# Altium PCB Atom.PcbDoc (part 2 of 2)
Units mil, origin at the board's own origin, x right, y up, seen from the top; angles counter-clockwise.
Board outline 1600 x 1600 mil, 4 copper layers (Top1, Signal2, Gnd3, Bottom4), stack 37.44 mil thick; 100 components, 125 nets, 493 pads, 296 vias.
Unrouted connection lines stored in the file: 72.
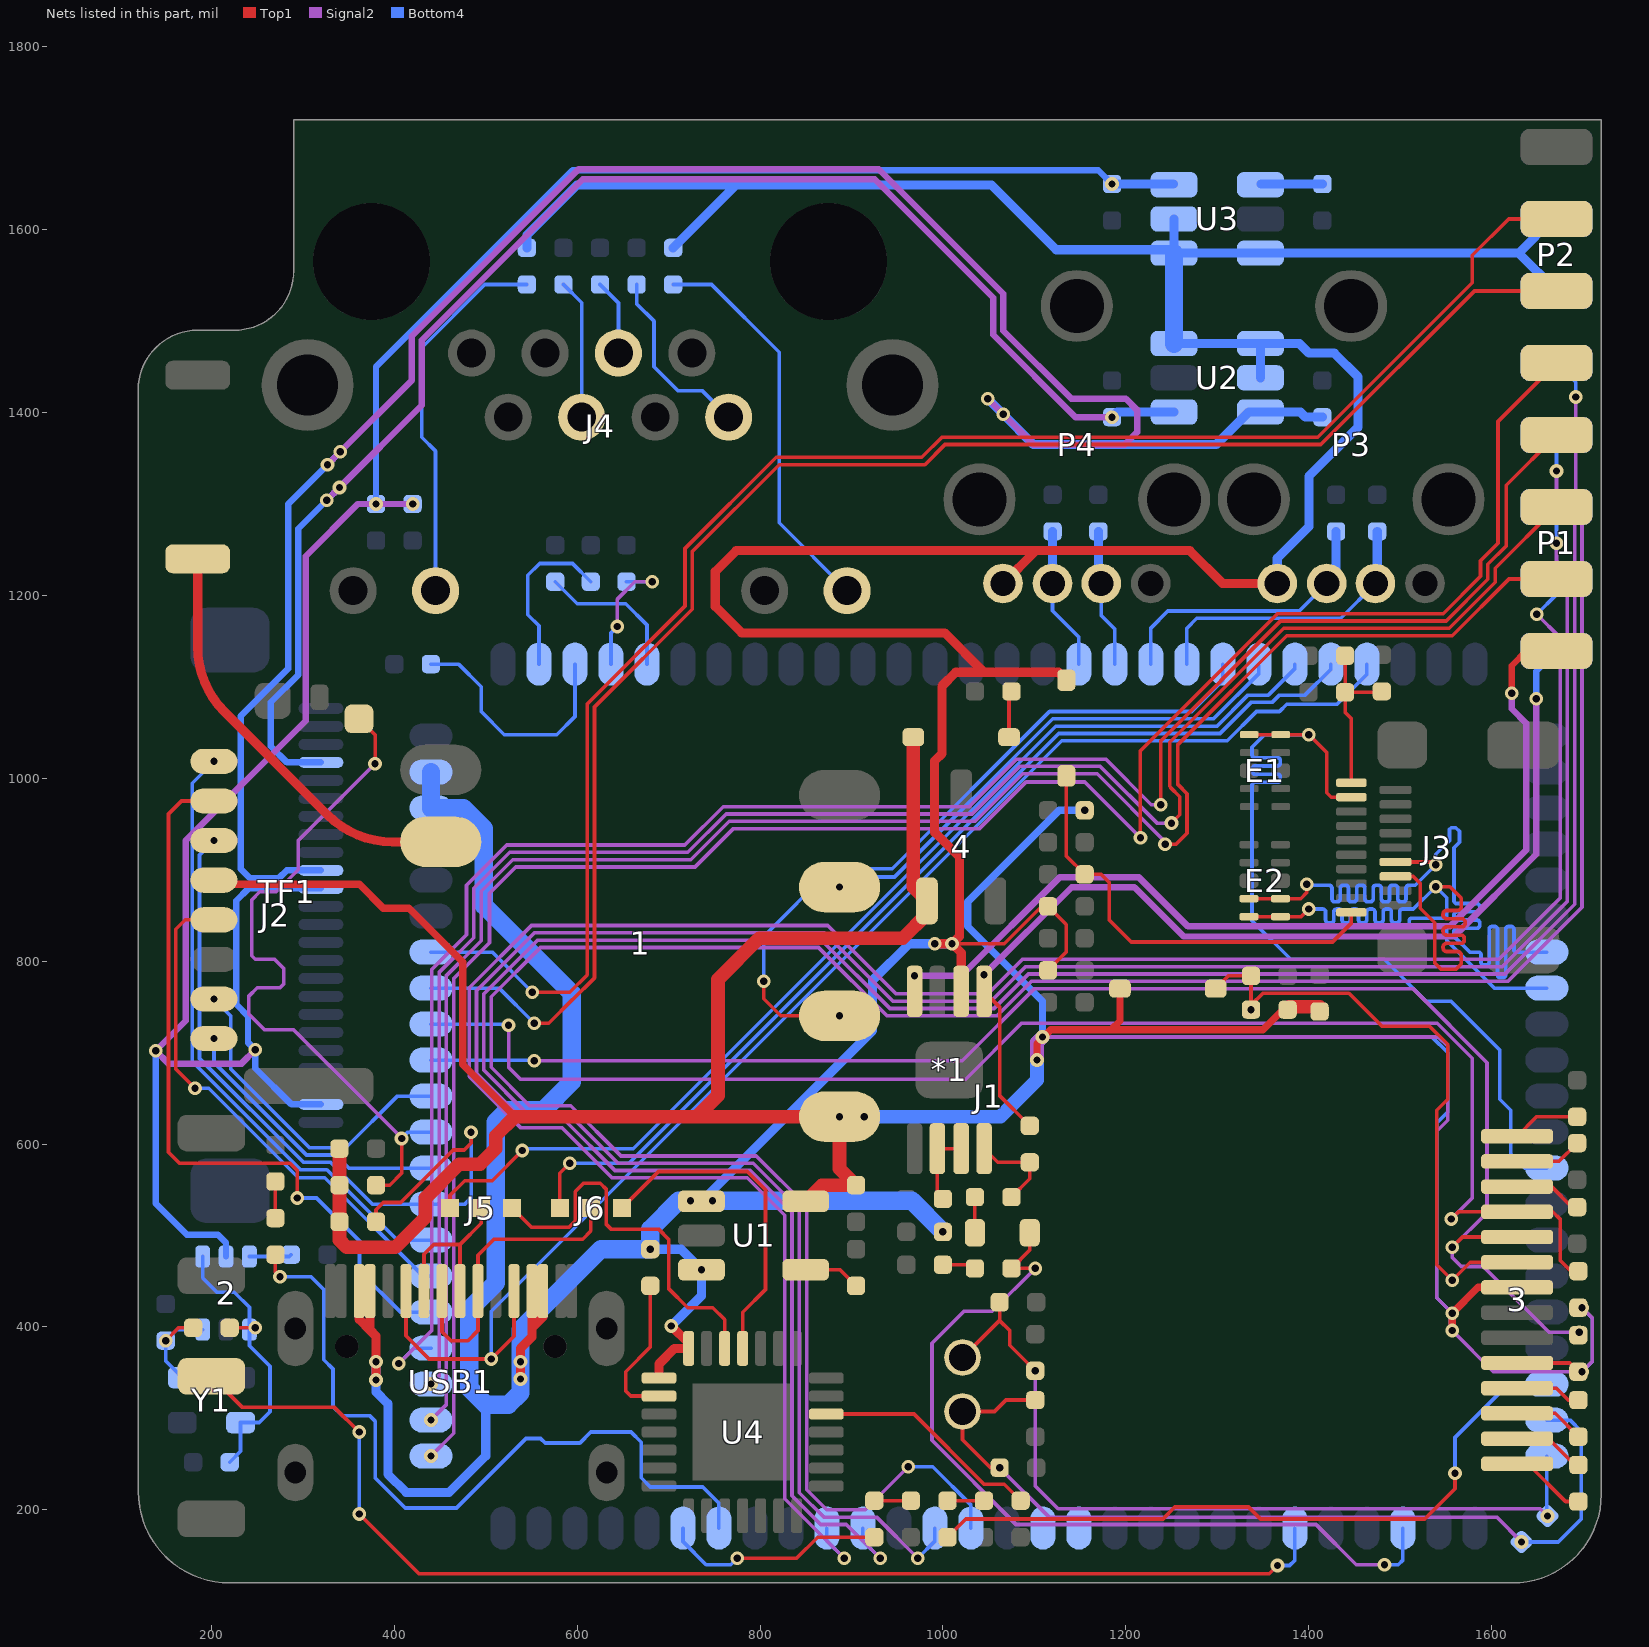
[diagram p4: the nets of this part, all layers, seen from the top]

## Via types
v1: diameter 15, hole 8, Top1 to Bottom4, tented both sides, 296 vias

## Nets (pads, with @x,y where several pads share a name; then routed paths per layer and width w, separated by ;. In a path a pad name is that pad's centre, name@x,y a point inside that pad or via, vN(x,y) a via of type N, cw(c..) or ccw(c..) an arc to the next point about the centre after c; other vN are vias at no path point) (continued)
HTX2P: E1.5 E1.6 J1.13 J3.3 | length 1031
  Top1 w4: E1.6@1335,1047.74 E1.5@1369.45,1047.74 v1(1400.26,1047.74) 1419.87,1028.13 1419.87,984.13 1424.63,979.37 J3.3@1446.77,979.37
  Bottom4 w4: v1(1400.26,1047.74) 1351.74,1047.74 1338,1034 1338,1027 1338,1025.65 ccw(c1341.15,1025.65) 1341.15,1022.5 1365.85,1022.5 cw(c1365.85,1019.35) 1369,1019.35 1369,1016.65 cw(c1365.85,1016.65) 1365.85,1013.5 1341.15,1013.5 ccw(c1341.15,1010.35) 1338,1010.35 1338,1007.65 ccw(c1341.15,1007.65) 1341.15,1004.5 1365.85,1004.5 cw(c1365.85,1001.35) 1369,1001.35 1369,998.65 cw(c1365.85,998.65) 1365.85,995.5 1341.15,995.5 ccw(c1341.15,992.35) 1338,992.35 1338,989 1338,844.31 1380.31,802 1482.63,802 1528.63,756 1555.94,756 1609,702.94 1609,649 1621,637 1621,589 1636.3,573.7 J1.13@1660.55,573.7
HTXCN: E2.1 E2.10 J1.8 J3.14 | length 990.4
  Top1 w4: E2.10@1334.78,848.63 E2.1@1369.22,848.63 1391.63,848.63 v1(1400,857) ; J3.14@1495,892.76 1514.24,892.76 1522,885 1522,858 1538,842 1538,798 1545,791 1561,791 1567,797 1567,801.5 1567,806.45 ccw(c1562.95,806.45) 1562.95,810.5 1551.05,810.5 cw(c1551.05,814.55) 1547,814.55 1547,815.45 cw(c1551.05,815.45) 1551.05,819.5 1567,819.5 ccw(c1567,822.5) 1570,822.5 1570,825.5 ccw(c1567,825.5) 1567,828.5 1551.05,828.5 cw(c1551.05,832.55) 1547,832.55 1547,833.45 cw(c1551.05,833.45) 1551.05,837.5 1567,837.5 1567.21,837.5 ccw(c1567.21,841.55) 1571.26,841.55 1571.26,842.45 ccw(c1567.21,842.45) 1567.21,846.5 1567,846.5 1551.05,846.5 cw(c1551.05,850.55) 1547,850.55 1547,851.45 cw(c1551.05,851.45) 1551.05,855.5 1562.95,855.5 ccw(c1562.95,859.55) 1567,859.55 1567,864.5 1567,869 1554.5,881.5 v1(1539,881.5)
  Bottom4 w4: v1(1400,857) 1414,857 1415.35,857 cw(c1415.35,853.85) 1418.5,853.85 1418.5,845.15 ccw(c1421.65,845.15) 1421.65,842 1424.35,842 ccw(c1424.35,845.15) 1427.5,845.15 1427.5,853.85 cw(c1430.65,853.85) 1430.65,857 1433.35,857 cw(c1433.35,853.85) 1436.5,853.85 1436.5,845.15 ccw(c1439.65,845.15) 1439.65,842 1442.35,842 ccw(c1442.35,845.15) 1445.5,845.15 1445.5,853.85 cw(c1448.65,853.85) 1448.65,857 1451.35,857 cw(c1451.35,853.85) 1454.5,853.85 1454.5,845.15 ccw(c1457.65,845.15) 1457.65,842 1460.35,842 ccw(c1460.35,845.15) 1463.5,845.15 1463.5,853.85 cw(c1466.65,853.85) 1466.65,857 1469.35,857 cw(c1469.35,853.85) 1472.5,853.85 1472.5,845.15 ccw(c1475.65,845.15) 1475.65,842 1478.35,842 ccw(c1478.35,845.15) 1481.5,845.15 1481.5,853.85 cw(c1484.65,853.85) 1484.65,857 1487.35,857 cw(c1487.35,853.85) 1490.5,853.85 1490.5,845.15 ccw(c1493.65,845.15) 1493.65,842 1496.35,842 ccw(c1496.35,845.15) 1499.5,845.15 1499.5,853.85 cw(c1502.65,853.85) 1502.65,857 1505,857 1514.5,857 v1(1539,881.5) 1551,869.5 1551,865 1551,856 1551,850.15 cw(c1547.85,850.15) 1547.85,847 1513.15,847 ccw(c1513.15,843.85) 1510,843.85 1510,841.15 ccw(c1513.15,841.15) 1513.15,838 1547.85,838 cw(c1547.85,834.85) 1551,834.85 1551,830 1551,822.62 1603.07,770.55 J1.8@1660.55,770.55
HTXCP: E2.2 E2.9 J1.7 J3.12 | length 992.3
  Top1 w4: E2.9@1334.78,868.32 E2.2@1369.22,868.32 1391.31,868.32 1398,875 v1(1398,884) ; J3.12@1495,908.5 1536,908.5 v1(1539,905.5)
  Bottom4 w4: v1(1398,884) 1399,883 1412,883 1416.5,883 1422.35,883 cw(c1422.35,879.85) 1425.5,879.85 1425.5,868.15 ccw(c1428.65,868.15) 1428.65,865 1431.35,865 ccw(c1431.35,868.15) 1434.5,868.15 1434.5,879.85 cw(c1437.65,879.85) 1437.65,883 1440.35,883 cw(c1440.35,879.85) 1443.5,879.85 1443.5,868.15 ccw(c1446.65,868.15) 1446.65,865 1449.35,865 ccw(c1449.35,868.15) 1452.5,868.15 1452.5,879.85 cw(c1455.65,879.85) 1455.65,883 1458.35,883 cw(c1458.35,879.85) 1461.5,879.85 1461.5,868.15 ccw(c1464.65,868.15) 1464.65,865 1467.35,865 ccw(c1467.35,868.15) 1470.5,868.15 1470.5,879.85 cw(c1473.65,879.85) 1473.65,883 1476.35,883 cw(c1476.35,879.85) 1479.5,879.85 1479.5,868.15 ccw(c1482.65,868.15) 1482.65,865 1485.35,865 ccw(c1485.35,868.15) 1488.5,868.15 1488.5,879.85 cw(c1491.65,879.85) 1491.65,883 1494.35,883 cw(c1494.35,879.85) 1497.5,879.85 1497.5,868.15 ccw(c1500.65,868.15) 1500.65,865 1503.35,865 ccw(c1503.35,868.15) 1506.5,868.15 1506.5,879.85 cw(c1509.65,879.85) 1509.65,883 1513,883 1516.5,883 v1(1539,905.5) 1539,917.03 1554,932.03 1554,944 1556,946 1561,946 1565,942 1565,930 1559,924 1559,885.5 1559,881 1559,872 1559,866.15 ccw(c1562.15,866.15) 1562.15,863 1583.85,863 cw(c1583.85,859.85) 1587,859.85 1587,857.15 cw(c1583.85,857.15) 1583.85,854 1562.15,854 ccw(c1562.15,850.85) 1559,850.85 1559,848.15 ccw(c1562.15,848.15) 1562.15,845 1583.85,845 cw(c1583.85,841.85) 1587,841.85 1587,839.15 cw(c1583.85,839.15) 1583.85,836 1562.15,836 ccw(c1562.15,832.85) 1559,832.85 1559,827 1576.08,809.92 1584,809.92 1585.35,809.92 cw(c1585.35,806.77) 1588.5,806.77 1588.5,799.04 ccw(c1591.65,799.04) 1591.65,795.89 1594.35,795.89 ccw(c1594.35,799.04) 1597.5,799.04 1597.5,809.92 1597.5,834.77 cw(c1600.65,834.77) 1600.65,837.92 1603.35,837.92 cw(c1603.35,834.77) 1606.5,834.77 1606.5,809.92 1606.5,785.07 ccw(c1609.65,785.07) 1609.65,781.92 1612.35,781.92 ccw(c1612.35,785.07) 1615.5,785.07 1615.5,809.92 1615.5,834.77 cw(c1618.65,834.77) 1618.65,837.92 1621.35,837.92 cw(c1621.35,834.77) 1624.5,834.77 1624.5,812.42 ccw(c1627,812.42) 1627,809.92 J1.7@1660.55,809.92
I2C1_SCL: J1.63 P2.5 | length 1789.2
  Top1 w4: v1(553,732) 569,732 595,758 595.31,758 619,781.69 619,1078 726,1185 726,1248 821,1343 980.31,1343 1002.31,1365 1413.31,1365 1581.31,1533 P2.5@1671,1533
  Bottom4 w4: J1.63@440.08,770.55 514.45,770.55 v1(553,732)
I2C1_SDA: J1.64 P2.3 | length 1827.5
  Top1 w4: v1(551,766) 592,766 611,785 611,1081.31 718,1188.31 718,1251.31 817.69,1351 977,1351 999,1373 1410,1373 1579,1542 1579,1572 1618.74,1611.74 P2.3@1671,1611.74
  Bottom4 w4: J1.64@440.08,809.92 507.08,809.92 v1(551,766)
MICN: C17.2 C21.2 ESD-1.1 J1.21 MIC*1.1 | length 913.3
  Top1 w4: MIC*1.1@1021.43,366.53 1062,407.09 ; C17.2@1062,427 1062,407.09 ; v1(1101,352) 1073,380 1073,396.09 1062,407.09
  Signal2 w4: v1(1101,352) 1101,226 1126,201 1653.28,201 v1(1661.14,193.14)
  Bottom4 w4: C21.2@1660.55,193.73 J1.21@1660.55,258.74
MICP: C21.1 C22.2 ESD-2.2 J1.20 MIC*1.2 | length 987.4
  Top1 w4: v1(1062,246) 1052,246 1021.43,276.57 MIC*1.2@1021.43,307.47 1056.47,307.47 1069,320 ESD-2.2@1101,320
  Signal2 w4: v1(1062,246) 1116,192 1605.72,192 v1(1632.86,164.86)
  Bottom4 w4: v1(1632.86,164.86) 1672.86,164.86 1698,190 1698,286 1685.89,298.11 J1.20@1660.55,298.11
Net1_5: 1.5 A1.1 | length 466.2
  Top1 w10: A1.1@185,1240 185,1143.42 ccw(c285,1143.42) 214.29,1072.71 327.24,959.76 ccw(c397.95,1030.47) 397.95,930.47 1.5@450.75,930.47
Net2_6: 2.6 R11.1 | length 46.2
  Bottom4 w4: 2.6@241.59,477 285,477 R11.1@287,479
Net3_1: 3.1 C18.2 | length 84.1
  Top1 w4: 3.1@1628,250.32 1639.68,250.32 1681,209 C18.2@1695,209
Net3_2: 3.2 C18.1 | length 75
  Top1 w4: 3.2@1628,277.88 1662.12,277.88 C18.1@1691,249
Net3_3: 3.3 C19.1 | length 77.5
  Top1 w4: 3.3@1628,305.44 1669.56,305.44 C19.1@1695,280
Net3_4: 3.4 C19.2 | length 72.4
  Top1 w4: 3.4@1628,333 1671,333 1684,320 C19.2@1695,320
Net3_12: 3.12 R20.2 | length 69.3
  Top1 w4: 3.12@1628,553.47 1665.53,553.47 R20.2@1688,531
Net3_13: 3.13 C20.1 | length 73.9
  Top1 w4: 3.13@1628,581.03 1673.65,581.03 C20.1@1693.62,601
Net3_14: 3.14 C15.2 | length 74.4
  Top1 w4: 3.14@1628,608.59 1649.15,629.74 C15.2@1693.62,629.74
Net*1_2: *1.2 *1.3 C7.2 | length 83.5
  Top1 w4: C7.2@1000,540 994,546 *1.2@994,595 *1.3@1020,595
Net*1_4: *1.4 R5.2 R6.1 | length 102.5
  Top1 w4: *1.4@1045,595 1060,580 R6.1@1095,580 1095,562 R5.2@1075,542
NetC1_1: C1.1 R5.1 | length 39
  Top1 w4: C1.1@1035,503 R5.1@1035,542
NetC4_2: C4.2 U1.4 | length 62.3
  Top1 w4: U1.4@849.94,462.6 887.4,462.6 C4.2@905,445
NetC5_2: C5.2 R7.1 | length 36.7
  Top1 w4: C5.2@1000,468 1031,468 R7.1@1035,464
NetC13_2: C13.2 U3.1 | length 66.9
  Bottom4 w10: U3.1@1348.1,1650 C13.2@1415,1650
NetC23_2: C23.2 J3.1 R23.2 R24.1 | length 182.3
  Top1 w4: R23.2@1439.87,1134.06 C23.2@1439.87,1094.06 ; C23.2@1440.81,1095 C23.2@1439.87,1094.06 ; J3.1@1446.77,995.12 1446.77,1065.23 1439.87,1072.13 C23.2@1439.87,1094.06 ; R24.1@1479.06,1094.06 C23.2@1439.87,1094.06
NetC24_1: C24.1 J4.4 | length 153.4
  Bottom4 w4: C24.1@585,1540.08 605,1520.08 J4.4@605,1395
NetC25_1: C25.1 D5.2 J3.19 | length 482.6
  Top1 w4: D5.2@1135,1002.66 1135,915 C25.1@1155,895 1173,895 1182,886 1182,845 1206,821 1426,821 1446.77,841.77 J3.19@1446.77,853.39
NetC26_1: C26.1 J4.5 | length 83.3
  Bottom4 w4: C26.1@625,1540.08 645.16,1519.92 J4.5@645.16,1465.08
NetD1_1: D1.1 R13.2 | length 40
  Top1 w4: R13.2@925,210 D1.1@965,210
NetD2_1: D2.1 R14.2 | length 40
  Top1 w4: R14.2@1005,210 D2.1@1045,210
NetD3_1: D3.1 R16.2 | length 40
  Top1 w4: R16.2@270,519 D3.1@270,559
NetD6_2: D6.2 R32.2 | length 47.3
  Top1 w4: D6.2@1072.34,1045 R32.2@1072.34,1092.34
NetJ1_72: J1.72 R4.2 | length 184.8
  Bottom4 w4: J1.72@558.19,1124.88 558.19,1166.81 546,1179 546,1222 559,1235 595,1235 R4.2@615,1215
NetJ1_73: J1.73 R3.2 | length 270.7
  Bottom4 w4: R3.2@440.08,1124.88 470.12,1124.88 495,1100 495,1073.09 520.35,1047.74 577.74,1047.74 597.56,1067.56 J1.73@597.56,1124.88
NetJ1_74: J1.74 R2.2 | length 147.9
  Signal2 w4: v1(644,1166) 644,1196 663,1215 v1(682,1215)
  Bottom4 w4: J1.74@636.93,1124.88 636.93,1158.93 v1(644,1166) ; R2.2@654,1215 v1(682,1215)
NetJ1_75: J1.75 R1.2 | length 162.7
  Bottom4 w4: R1.2@576,1215 600,1191 653,1191 676.3,1167.7 J1.75@676.3,1124.88
NetJ4_8: J4.8 R28.2 | length 202.4
  Bottom4 w4: R28.2@665,1540.08 665,1519 684,1500 684,1450 710,1424 736.63,1424 J4.8@765.63,1395
NetJ4_10: J4.10 R31.2 | length 415.7
  Bottom4 w4: J4.10@445.16,1205.24 445.16,1357.84 430,1373 430,1471 499.08,1540.08 R31.2@545,1540.08
NetJ4_12: J4.12 R30.2 | length 438.2
  Bottom4 w4: R30.2@705,1540.08 746.92,1540.08 821,1466 821,1279.39 J4.12@895.16,1205.24
NetR27_2: R27.2 U4.9 | length 165
  Top1 w4: R27.2@680,445 680,378 653,351 653,330 658.63,324.37 U4.9@689.5,324.37
NetR29_2: R29.2 U4.26 | length 251.7
  Top1 w4: U4.26@872.5,304.69 968.32,304.69 1045,228 1067,228 R29.2@1085,210
OLED_RES: 3.9 C16.2 D4.1 R17.2 | length 674.3
  Top1 w4: D4.1@1298.34,770 1312.34,784 C16.2@1337,784 R17.2@1337,752 ; v1(1337,747) R17.2@1337,752 ; 3.9@1628,470.8 1576.8,470.8 v1(1557,451) 1540,468 1540,637 1552,649 1552,709 1532,729 1480,729 1444,765 1350,765 R17.2@1337,752
OLED_SCL: 3.10 J1.61 R26.1 | length 1699.8
  Top1 w4: v1(1557,487) 1568.35,498.35 3.10@1628,498.35
  Signal2 w4: v1(553,691) 1021.25,691 1100.25,770 1514,770 1595,689 1595,525 v1(1557,487) 1557,476 1567,466 1591,466 1663,394 v1(1696,394) v1@1698,394
  Bottom4 w4: J1.61@440.08,691.81 v1@552.19,691.81
OLED_SDA: 3.11 J1.62 R21.1 | length 1611
  Top1 w4: v1(1556,518) 1563.91,525.91 3.11@1628,525.91 1667.09,525.91 1675,518 1675,473 1687,461 R21.1@1695,461
  Signal2 w4: v1(525,730) 525,684 538,671 1025,671 1086,732 1540.69,732 1579,693.69 1579,541 v1(1556,518)
  Bottom4 w4: J1.62@440.08,731.18 v1@523.82,731.18
OUT_SND: C1.2 J1.24 R7.2 | length 934.7
  Top1 w4: C1.2@1095,503 1095,484 R7.2@1075,464 v1(1101,464)
  Signal2 w4: v1(1101,464) 1054,417 1023,417 988,382 988,276 1080,184 1408,184 1452,140 v1(1483,140)
  Bottom4 w4: v1(1483,140) 1498.09,140 1503.07,144.98 J1.24@1503.07,180
PWR_STAT: J1.19 R14.1 | length 768.5
  Top1 w4: R14.1@1005,170 1025,190 1240.69,190 1253.69,203 1334.24,203 1347.24,190 1527,190 1560,223 v1(1560,240)
  Bottom4 w4: v1(1560,240) 1560,279 1618.48,337.48 J1.19@1660.55,337.48
SDMMC_CLK: J1.55 TF1.5 | length 571.9
  Top1 w4: v1(182,661) 161,682 161,835 171.28,845.28 TF1.5@202.79,845.28
  Bottom4 w4: v1(182,661) 197,661 295,563 324,563 431.41,455.59 J1.55@440.08,455.59
SDMMC_CMD: J1.57 R10.2 TF1.3 | length 841.8
  Top1 w4: R10.2@380,515 380,528 388,536 407,536 464.5,593.5 476.5,593.5 484,601 v1(484,613)
  Bottom4 w4: v1(202.79,931.9) 187,916.11 187,693.63 300.63,580 330.33,580 376,534.33 J1.57@440.08,534.33 477.33,534.33 484,541 v1(484,613)
SDMMC_D0: J1.60 TF1.7 | length 362.1
  Bottom4 w4: v1(202.79,758.67) 221,740.46 221,682.25 307.25,596 347,596 403.44,652.44 J1.60@440.08,652.44
SDMMC_D1: J1.58 TF1.8 | length 311.3
  Bottom4 w4: v1(202.79,715.36) 202.79,689.15 303.94,588 336,588 350.3,573.7 J1.58@440.08,573.7
SDMMC_D2: J1.56 TF1.1 | length 680
  Bottom4 w4: v1(202.79,1018.51) 179,994.72 179,690.31 297.31,572 326.31,572 403.35,494.96 J1.56@440.08,494.96
SDMMC_D3: J1.54 TF1.2 | length 822
  Top1 w4: TF1.2@202.79,975.2 167.2,975.2 153,961 153,591 165,579 286,579 294,571 v1(294,541)
  Bottom4 w4: v1(294,541) 315,541 362,494 362,461 406.78,416.22 J1.54@440.08,416.22
SDMMC_DET: J1.59 R12.2 TF1.9 | length 784.2
  Top1 w4: TF1.9@361.5,1065.04 379,1047.53 v1(379,1016) ; R12.2@380,555 395,555 408,568 v1(408,606)
  Signal2 w4: v1(379,1016) 295,932 295,900 271,876 253,876 244,867 244,806 248,802 269,802 279,792 279,775 275,771 250,771 241,762 241,742 258,725 289.84,725 408,606.84 v1(408,606)
  Bottom4 w4: v1(408,606) 415.07,613.07 J1.59@440.08,613.07
SPEAKER_N: *1.8 P1.7 | length 1034.5
  Top1 w7: v1(1622,1093) 1622,1123 1638.26,1139.26 P1.7@1671,1139.26
  Signal2 w7: v1(969,784) 1020,784 1128,892 1214,892 1268,838 1554.44,838 1638,921.56 1638,1060 1622,1076 v1(1622,1093)
SPEAKER_P: *1.5 P1.8 R6.2 | length 1102.5
  Top1 w4: *1.5@1045,767 1062,750 1062,653 R6.2@1095,620
  Signal2 w7: v1(1045,785) 1141,881 1209.44,881 1263.44,827 1559,827 1649,917 v1(1649,1087)
  Bottom4 w7: v1(1649,1087) 1649,1117.26 P1.8@1671,1139.26
SPI0_CLK: J1.52 P1.3 | length 2040.8
  Top1 w4: v1(1250,951) 1259,960 1259,979.93 1249,989.93 1249,990.24 1248,991.24 1248,1039.37 1372.63,1164 1553.69,1164 1604,1214.31 1604,1229.74 P1.3@1671,1296.74
  Signal2 w4: v1(440.08,337.48) 449,346.4 449,787.63 487,825.63 487,879.69 526.31,919 720.96,919 762.96,961 1031.96,961 1083.96,1013 1172.04,1013 1234.04,951 v1(1250,951)
SPI0_CS: J1.50 P2.7 | length 2243.4
  Top1 w4: v1(1216,935) 1216,1030 1366,1180 1547.06,1180 1588,1220.94 1588,1238 1607,1257 1607,1390.26 P2.7@1671,1454.26
  Signal2 w4: v1(440.08,258.74) 465,283.66 465,781 504.19,820.19 504.19,874.25 532.94,903 729,903 771,945 1040,945 1091,996 1155,996 v1(1216,935)
SPI0_MISO: J1.51 P1.5 | length 2054.9
  Top1 w4: v1(1243,928) 1255,928 1267,940 1267,983.24 1257,993.24 1257,1037.06 1375.94,1156 1557,1156 1619,1218 P1.5@1671,1218
  Signal2 w4: v1(440.08,298.11) 457,315.03 457,784.31 495,822.31 495,876.37 529.63,911 724.27,911 766.27,953 1035.27,953 1087.27,1005 1168.73,1005 1243,930.73 v1(1243,928)
SPI0_MOSI: J1.53 P1.1 | length 2122.6
  Top1 w4: v1(1238.18,971) 1238.18,1040.86 1369.31,1172 1550.37,1172 1596,1217.63 1596,1234 1616,1254 1616,1320.48 P1.1@1671,1375.48
  Signal2 w4: v1(405,360) 441,396 441,790.94 479,828.94 479,883 523,927 717.64,927 759.64,969 1028.64,969 1080.64,1021 1178,1021 1228,971 v1(1238.18,971)
  Bottom4 w4: v1(405,360) 421.85,376.85 J1.53@440.08,376.85
STATUS_LED: J1.44 R13.1 | length 246.9
  Top1 w4: v1(775,147) 840,147 863,170 R13.1@925,170
  Bottom4 w4: J1.44@715.67,180 715.67,165.33 741,140 768,140 v1(775,147)
UART1_RX: J1.34
UART1_TX: J1.33
UART2_RX: J1.36 P2.8 | length 2948.2
  Signal2 w4: v1(962,247) 915,200 873,200 851,222 851,531.94 795.94,587 648,587 593,642 547.94,642 506,683.94 506,761.06 559.94,815 864,815 938.76,740.24 1059.18,740.24 1096.94,778 1618,778 1699,859 1699,1297.31 1692,1304.31 v1(1692,1417)
  Bottom4 w4: v1(962,247) 989,247 1030.63,205.37 J1.36@1030.63,180 ; P2.8@1671,1454.26 1692,1433.26 v1(1692,1417)
UART2_TX: J1.37 P1.2 | length 2818.5
  Signal2 w4: v1(972.41,147) 927.41,192 869.69,192 843,218.69 843,528.63 792.63,579 644.69,579 589.69,634 544.63,634 498,680.63 498,764.37 556.63,823 867.31,823 942.08,748.24 1055.86,748.24 1093.63,786 1614.69,786 1691,862.31 1691,1294 1671,1314 v1(1671,1336)
  Bottom4 w4: v1(972.41,147) 991.26,165.85 J1.37@991.26,180 ; v1(1671,1336) P1.2@1671,1375.48
UART3_RX: J1.40 P1.6 | length 2611.7
  Signal2 w4: v1(892,147) 827,212 827,522 786,563 638.06,563 583.06,618 538,618 482,674 482,771 550,839 873.94,839 948.7,764.24 1049.24,764.24 1087,802 1608.06,802 1675,868.94 1675,1154 v1(1649.5,1179.5)
  Bottom4 w4: J1.40@873.15,180 873.15,165.85 v1(892,147) ; v1(1649.5,1179.5) 1671,1201 P1.6@1671,1218
UART3_TX: J1.39 P1.4 | length 2705.4
  Signal2 w4: v1(931.37,147) 894.37,184 866.37,184 835,215.37 835,525.31 789.31,571 641.37,571 586.37,626 541.31,626 490,677.31 490,767.69 553.31,831 870.63,831 945.39,756.24 1052.55,756.24 1090.31,794 1611.37,794 1683,865.63 1683,1226 1671,1238 v1(1671,1257)
  Bottom4 w4: J1.39@912.52,180 912.52,165.85 v1(931.37,147) ; v1(1671,1257) P1.4@1671,1296.74
UBOOT: J1.27 K2.2 | length 1368.2
  Top1 w4: K2.2@200,346 234,312 334.61,312 v1(361.61,285) ; v1(361.61,195.39) 427,130 1357,130 v1(1366,139)
  Bottom4 w4: v1(361.61,195.39) v1(361.61,285) ; v1(1366,139) 1379,139 1384.96,144.96 J1.27@1384.96,180
USB0-DM: J1.93 J5.3 | length 1181.5
  Top1 w4: J5.3@461,530 461,544 477,560 507,560 v1(540,593)
  Bottom4 w4: v1(540,593) 542,595 661.37,595 1123.37,1057 1299.69,1057 1333.69,1091 1356,1091 1384.96,1119.96 J1.93@1384.96,1124.88
USB0-DP: J1.94 J6.3 | length 1115.3
  Top1 w4: J6.3@581,530 581,568 v1(592,579)
  Bottom4 w4: v1(592,579) 656.69,579 1126.69,1049 1303,1049 1337,1083 1360,1083 1368,1091 1396,1091 1424.33,1119.33 J1.94@1424.33,1124.88
USB0-OTGID: J1.95 USB1.A5 USB1.B5 | length 1546.6
  Top1 w4: USB1.A5@412.79,439.21 412.79,390.21 438,365 v1(506,365) 530.9,389.9 USB1.B5@530.9,439.21
  Bottom4 w4: v1(506,365) 506,417 1130,1041 1311,1041 1343,1073 1368,1073 1376,1081 1431,1081 1463.7,1113.7 J1.95@1463.7,1124.88
USB2-DM: ESD-4.2 J1.89 P3.2 | length 313.2
  Bottom4 w4: J1.89@1227.48,1124.88 1227.48,1164.48 1246,1183 1389.8,1183 P3.2@1419.87,1213.07
  Bottom4 w10: P3.2@1419.87,1213.07 1430,1223.2 ESD-4.2@1430,1270
USB2-DP: ESD-3.2 J1.90 P3.3 | length 320.7
  Bottom4 w4: J1.90@1266.85,1124.88 1266.85,1164.2 1277.65,1175 1434.98,1175 P3.3@1473.05,1213.07
  Bottom4 w10: P3.3@1475,1215.02 ESD-3.2@1475,1270
USB3-DM: ESD-6.2 J1.87 P4.2 | length 156.9
  Bottom4 w4: P4.2@1119.87,1213.07 1119.87,1183.13 1148.74,1154.26 J1.87@1148.74,1124.88
  Bottom4 w10: P4.2@1120,1213.2 ESD-6.2@1120,1270
USB3-DP: ESD-5.2 J1.88 P4.3 | length 148.3
  Bottom4 w4: P4.3@1173.05,1213.07 1173.05,1177.95 1188.11,1162.89 J1.88@1188.11,1124.88
  Bottom4 w10: P4.3@1170,1216.12 ESD-5.2@1170,1270
USB-CP-DM: J5.1 U4.5 | length 426.9
  Top1 w4: J5.1@529,530 550,509 591,509 598,516 598,548 607,557 625.28,557 632,550.28 632,512 637,507 689,507 700,496 700,442 721,421 748.32,421 761.32,408 U4.5@761.32,376.5
USB-CP-DP: J6.1 U4.4 | length 365.7
  Top1 w4: J6.1@649,530 689,570 786,570 806,550 806,441 781,416 U4.4@781,376.5
USB-PWR-DM: J5.2 USB1.A7 USB1.B7 | length 184.5
  Top1 w4: USB1.B7@432.47,439.21 432.47,479.47 443.2,490.2 471.84,490.2 ; USB1.A7@471.84,439.21 471.84,490.2 ; J5.2@495,530 495,513.35 471.84,490.2
USB-PWR-DP: J6.2 USB1.A6 USB1.B6 | length 334.3
  Top1 w4: USB1.A6@452.16,439.21 452.16,394.84 462,385 480.53,385 491.53,396 USB1.B6@491.53,439.21 491.53,478.53 509,496 606,496 615,505 J6.2@615,530
USB-WIFI-DM: 1.3 J1.91 | length 794.7
  Top1 w4: v1(804,778) 804,759 822.76,740.24 v1(887,740.24)
  Bottom4 w4: v1(804,778) 804,826.97 878.02,900.98 944.67,900.98 1116.69,1073 1272,1073 1306.22,1107.22 J1.91@1306.22,1124.88
USB-WIFI-DP: 1.2 J1.92 | length 565.6
  Bottom4 w4: v1(887,881.02) 897.98,892 947,892 1120,1065 1296,1065 1345.59,1114.59 J1.92@1345.59,1124.88
USR_LED: J1.43 R16.1 | length 837.1
  Top1 w4: R16.1@270,479 270,460 v1(275,455)
  Bottom4 w4: v1(275,455) 309,455 323,441 323,364 333,354 333,313 343,303 373,303 379,297 379,235 412,202 468,202 544,278 560,278 565,273 603,273 615,285 659,285 670,274 670,235 680,225 737.22,225 755.04,207.18 J1.43@755.04,180
VDD_1V5: C9.2 J2.10 U2.6 | length 2394.7
  Signal2 w7: v1(327,1343) v1(341,1357) 419,1435 419,1483.56 601.44,1666 930,1666 1066,1530 1066,1489.56 1140.56,1415 1200.19,1415 1212.35,1402.83 1212.35,1378.35 1199,1365 1099,1365 v1(1066,1398) v1(1049,1415)
  Bottom4 w7: J2.10@319.71,899.23 282.23,899.23 274,891 241.89,891 231.89,901 231.89,1067.89 284,1120 284,1300 v1(327,1343) v1(341,1357)
  Bottom4 w10: v1(1049,1415) v1(1066,1398) 1099,1365 1299,1365 1334.6,1400.6 U2.6@1347.24,1400.6 1391,1400.6 1396.6,1395 C9.2@1415,1395
VDD_2V8: C8.2 J2.4 U2.1 | length 1623.5
  Signal2 w7: v1(326,1304) v1(340,1318) 430,1408 430,1479 606,1655 925.44,1655 1055,1525.44 1055,1485 1145,1395 v1(1185,1395)
  Bottom4 w7: J2.4@319.71,1017.34 282.66,1017.34 265,1035 265,1083 295,1113 295,1273 v1(326,1304) v1(340,1318)
  Bottom4 w10: v1(1185,1395) 1190.6,1400.6 U2.1@1252.76,1400.6
VDD_3V: 2.5 C14.2 J2.11 J2.23 R8.2 R9.2 U3.6 | length 2682.8
  Signal2 w7: v1(248,703) 233,688 153,688 v1(139,702) 172,735 172,932 303,1063 303,1243 360,1300 v1(380,1300) v1(420.08,1300)
  Bottom4 w7: v1(139,702) 139,535 173,501 207,501 216,492 2.5@216,477 ; J2.23@319.71,643.32 287.68,643.32 248,683 v1(248,703) 240,711 240,739.89 227,752.89 227,866 240.54,879.54 J2.11@319.71,879.54 ; v1(420.08,1300) v1(380,1300) 380,1450 595,1665 1170,1665 v1(1185,1650)
  Bottom4 w10: v1(1185,1650) U3.6@1251.9,1650
VDD_3V3: 1.4 3.5 3.8 4.1 C2.2 C3.2 C12.2 D4.2 D6.1 R10.1 R12.1 R17.1 R21.2 R26.2 R33.2 TF1.4 U1.5 | length 5074.1
  Top1 w4: 3.5@1628,360.56 1685.44,360.56 R26.2@1695,351
  Top1 w8: TF1.4@202.79,888.59 207.38,884 362,884 388,858 416,858 475,799 475,687 532,630 ; v1(1103,692) 1103,710 1118,725 1184,725 ; D4.2@1193.66,770 1193.66,734.66 1184,725 ; R17.1@1377,752 1350,725 1184,725 ; v1(1557,396) v1(1557,415) 1585.24,443.24 3.8@1628,443.24
  Top1 w15: C12.2@340,595 R12.1@340,555 R10.1@340,515 340,495 348,487 401,487 434,520 434,541 471,578 494,578 511,595 511,609 532,630 731,630 ; U1.5@849.94,537.4 867.54,555 C2.2@905,555 887,573 v1(887,630) 731,630 ; D6.1@967.66,1045 967.66,880.88 4.1@982.6,865.94 982.6,851.6 956,825 799,825 754,780 754,653 731,630 ; R17.1@1379,750 C3.2@1412,750
  Signal2 w4: v1(1109,717) 1542,717 1552,707 1552,626 1540,614 1540,432 v1(1557,415) v1(1557,396) 1602,351 v1(1699,351) 1710,362 1710,410 v1(1699,421)
  Signal2 w15: v1(1103,692) 1103,711 v1(1109,717)
  Bottom4 w4: v1(1109,717) 1535,717 1552,700 1552,635 1540,623 1540,432 v1(1557,415) ; v1(1699,351) 1710,362 1710,410 v1(1699,421)
  Bottom4 w8: v1(1109,717) 1109,756 1027,838 1027,864.86 1127.14,965 v1(1155,965) ; v1(1557,396) v1(1557,415)
  Bottom4 w15: v1(887,630) 1063,630 1103,670 v1(1103,692) 1103,711 v1(1109,717)
  other v1: 914,629.74
VDD_5V: *1.6 C6.2 D5.1 J1.68 J1.69 P2.4 P2.6 P3.1 P4.1 R18.2 R22.2 R27.1 R30.1 R31.1 U1.1 U1.3 U2.3 U2.4 U2.5 U3.3 U3.4 U3.5 U4.7 U4.8 USB1.A4 USB1.A9 USB1.B4 USB1.B9 | length 6565.9
  Top1 w4: v1(1010,819) 1067,819 1108,860 R18.2@1115,860 1135,840 1135,810 R22.2@1115,790
  Top1 w10: USB1.A4@361.61,439.21 361.61,408.39 373.42,396.58 ; USB1.B9@373.42,439.21 373.42,396.58 ; v1(380,342) v1(380,362) 380,390 373.42,396.58 ; v1(538,343) v1(538,362) 538,376.58 550.58,389.17 550.58,399 ; USB1.B4@550.58,439.21 550.58,399 ; USB1.A9@562.39,439.21 562.39,410.81 550.58,399 ; U4.8@689.5,344.06 689.5,359.5 706.5,376.5 U4.7@721.94,376.5 721.94,382.06 v1(703,401) ; v1(991,819) v1(1010,819) ; *1.6@1020,767 1020,809 v1(1010,819) ; P4.1@1065.69,1213.07 1101.61,1249 ; D5.1@1135,1107.34 1126.34,1116 1045,1116 ; P3.1@1365.69,1213.07 1305.93,1213.07 1270,1249 1101.61,1249 ; v1(1010,819) 1018,827 1018,914 991,941 991,1019 999,1027 999,1101 1014,1116 1045,1116 ; 1045,1116 1002,1159 780,1159 751,1188 751,1226 774,1249 1101.61,1249
  Bottom4 w10: v1(380,362) v1(380,342) 380,329 393,316 393,239 413,219 460,219 500,259 500,315 ; R31.1@545,1580.08 545,1594 600,1649 773.92,1649 ; v1(680,485) 713.54,485 v1(735.94,462.6) 735.94,433.94 v1(703,401) ; R30.1@705,1580.08 773.92,1649 ; 737,538 923,724 923,779 963,819 v1(991,819) v1(1010,819) ; U3.4@1249.09,1578 1124,1578 1053,1649 773.92,1649 ; U2.3@1252.76,1475.4 U2.4@1347.24,1475.4 ; U3.5@1252.76,1611.74 U3.4@1252.76,1574.34 U3.3@1347.24,1574.34 1629.66,1574.34 ; U2.5@1347.24,1438 U2.4@1347.24,1475.4 ; P3.1@1365.69,1213.07 1365.69,1240.69 1400.26,1275.26 1400.26,1330.26 1454,1384 1454,1439 1428,1465 1400.34,1465 1389.94,1475.4 U2.4@1347.24,1475.4 ; P2.6@1671,1533 1629.66,1574.34 ; P2.4@1671,1611.74 1667.06,1611.74 1629.66,1574.34
  Bottom4 w20: J1.69@440.08,1006.77 J1.68@440.08,967.4 475.6,967.4 498,945 498,861 594,765 594,668 563,637 524,637 511,624 511,448 482,419 482,333 500,315 525,315 538,328 v1(538,343) v1(538,362) 538,397 626,485 v1(680,485) 680,507 711,538 v1(724,538) 737,538 v1(748,538) 966,538 v1(1000,504) ; U2.3@1252.76,1475.4 U3.4@1252.76,1574.34
XIN: 2.1 2.4 C11.2 R15.1 Y1.1 | length 324.8
  Top1 w4: R15.1@220,399 v1(248,399)
  Bottom4 w4: 2.4@190.41,477 190.41,453.59 206,438 225,438 241.59,421.41 2.1@241.59,397 241.59,379.41 264,357 264,307.11 252.28,295.39 Y1.1@231.89,295.39 231.89,263.89 C11.2@220,252
XOUT: 2.3 C10.1 R15.2 Y1.3 | length 129.1
  Top1 w4: v1(150,385) 164,399 R15.2@180,399
  Bottom4 w4: Y1.3@168.11,344.61 150,362.72 v1(150,385) 162,397 2.3@190.41,397
pads on no net: 3.6 *1.9 A1. J1.18 J1.23 J1.25 J1.26 J1.31 J1.32 J1.35 J1.38 J1.41 J1.42 J1.65 J1.66 J1.67 J1.96 J1.97 J2.1 J2.24 J3.2 J4.7 J4.None J4.SHELL1 J4.SHELL2 TF1. U4.1 U4.2 U4.6 U4.10 U4.11 U4.12 U4.13 U4.14 U4.15 U4.16 U4.17 U4.18 U4.19 U4.20 U4.21 U4.22 U4.23 U4.24 U4.27 U4.28 USB1.0 USB1.A8 USB1.B8

## Polygon pours and split planes (outlines as drawn)
GND on Signal2 "Top1-GND" (solid, remove dead copper, pour order 0): -17,0 1853.08,0 1853.08,1870.08 -17,1870.08
GND on Bottom4 "Top1-GND" (solid, remove dead copper, pour order 2): -17,0 1853.08,0 1853.08,1870.08 -17,1870.08
GND on Top1 "Top1-GND" (solid, remove dead copper, pour order 4): -17,0 1853.08,0 1853.08,1870.08 -17,1870.08
GND on Gnd3 (split plane): 1699.9,216.74 1699.9,209.19 1696.96,194.39 1691.18,180.44 1682.79,167.88 1672.12,157.21 1659.56,148.82 1645.61,143.04 1630.81,140.1 212.13,140.1 196.69,143.17 182.15,149.19 169.06,157.94 157.94,169.06 149.19,182.15 143.17,196.69 140.1,212.13 140.1,220 140.1,1200 255,1200 255,1475.66 263.33,1479.11 264.95,1479.97 266.81,1480.97 277.4,1488.04 280.45,1490.54 289.46,1499.55 290.4,1500.71 291.96,1502.6 299.03,1513.19 299.27,1513.64 300.89,1516.67 305.77,1528.44 306.91,1532.21 309.4,1544.71 309.54,1546.18 309.76,1547.64 310.07,1554.01 310.05,1554.51 310.1,1555 310.1,1699.9 1699.9,1699.9

## Keep-outs
Keep-Out Layer:
  lines w7: 1720,216.74 cw(c1623.26,216.74) 1623.26,120 220,120 cw(c220,220) 120,220 120,1425 cw(c185,1425) 185,1490 225,1490 ccw(c225,1555) 290,1555 290,1720 1720,1720 1720,216.74 ; 1720,216.74 1720,216.74

## Other copper
Top1:
  pour cut-out: 255,1560 255,1200 65,1200 65,1560
Signal2:
  pour cut-out: 254,1560 254,1200 64,1200 64,1560
Bottom4:
  pour cut-out: 255,1560 255,1200 65,1200 65,1560
Gnd3 (plane layer: these items are gaps in the copper):
  pour cut-out: 255,1560 255,1200 65,1200 65,1560

## Silkscreen, mask and mechanical layers (free items; w line width, h text height)
Top Overlay:
  text "Extend" at 1172,1115 h50 r270
  text "[Atom]" at 1250,1115 h100 r270
  text "LED" at 292,610 h30 r270
Bottom Overlay:
  text "By Pengzhihui" at 802,1659 h60
  text "-  2020.1.7     V1.0  -" at 802,1611 h45
Mechanical 1:
  lines w7: 1124.55,224.93 1124.55,701.42 1530.55,701.42 1530.55,224.93 1124.55,224.93
  lines w10: 120,220 ccw(c220,220) 220,120 1623.26,120 ccw(c1623.26,216.74) 1720,216.74 1720,1720 290,1720 290,1555 cw(c225,1555) 225,1490 185,1490 ccw(c185,1425) 120,1425 120,220